# Allegro board 8880F5-0823__zarif.brd (continued)
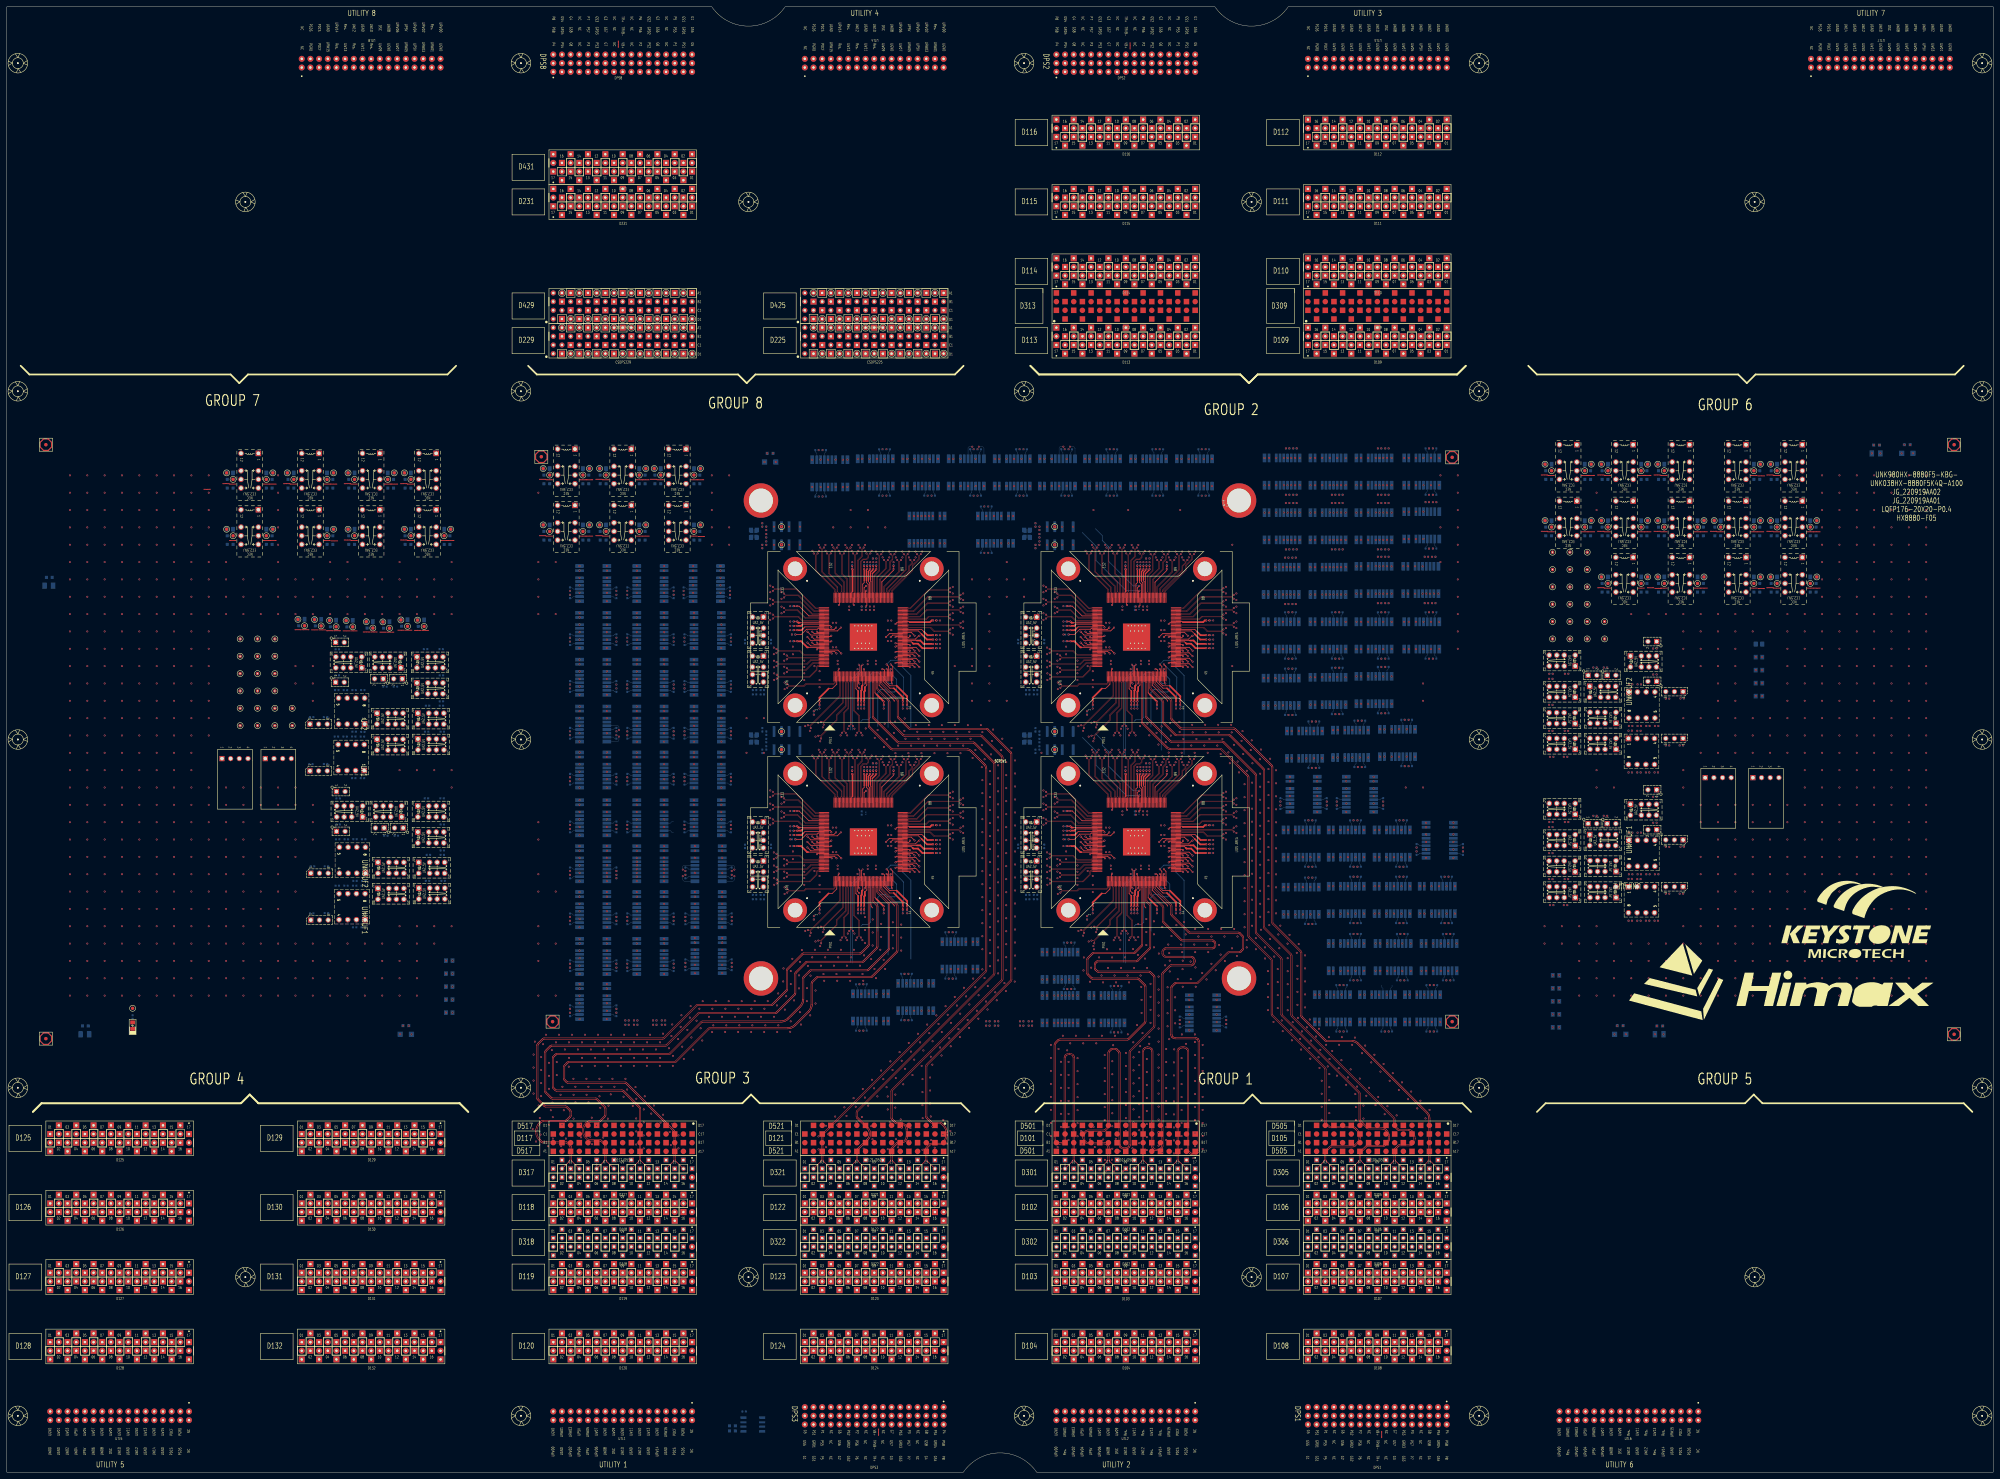
[diagram p0: board, top side]
## Placement (name value [footprint] x y rotation side) (continued)
NOREF#1974  -  []  328.33 247.93 0 top
NOREF#1975  -  []  184.47 214 0 top
NOREF#1976  -  []  209.49 148.63 90 top
NOREF#1977  -  []  84.04 290.38 90 top
NOREF#1978  -  []  118.7 190.55 90 top
NOREF#1979  -  []  168.13 254.6 90 top
NOREF#1980  -  []  261.63 195.43 90 top
NOREF#1981  -  []  238.45 257.01 0 top
NOREF#1982  -  []  117.26 190.55 90 top
NOREF#1983  -  []  103.93 235.64 90 top
NOREF#1984  -  []  393.31 131.89 90 top
NOREF#1985  -  []  252.83 205.86 90 top
NOREF#1986  -  []  295.96 248.49 0 top
NOREF#1987  -  []  468.85 259.9 90 top
NOREF#1988  -  []  473.79 239.64 0 top
NOREF#1989  -  []  352.24 189.18 90 top
NOREF#1990  -  []  410.27 257.37 0 top
NOREF#1991  -  []  369.38 257.11 0 top
NOREF#1992  -  []  298.13 214.06 0 top
NOREF#1993  -  []  398.53 161.74 90 top
NOREF#1994  -  []  271.04 189.18 0 top
NOREF#1995  -  []  263.2 172.26 90 top
NOREF#1996  -  []  218.13 274.06 0 top
NOREF#1997  -  []  93.76 271.33 90 top
NOREF#1998  -  []  219.81 213.69 90 top
NOREF#1999  -  []  259.65 205.86 90 top
NOREF#2000  -  []  317.98 165.04 90 top
NOREF#2001  -  []  295.96 248.49 0 top
NOREF#2002  -  []  343.98 288.86 0 top
NOREF#2003  -  []  371.73 297.12 0 top
NOREF#2004  -  []  314.33 168.13 90 top
NOREF#2005  -  []  194.09 255.9 90 top
NOREF#2006  -  []  327.57 204.65 90 top
NOREF#2007  -  []  310.43 188.88 0 top
NOREF#2008  -  []  389.7 209.36 0 top
NOREF#2009  -  []  378.75 240.56 90 top
NOREF#2010  -  []  155.57 275.14 90 top
NOREF#2011  -  []  257.9 186.99 0 top
NOREF#2012  -  []  108.01 214.71 0 top
NOREF#2013  -  []  462.06 293.82 90 top
NOREF#2014  -  []  405.93 256.92 90 top
NOREF#2015  -  []  167.7 132.72 90 top
NOREF#2016  -  []  249.6 164.74 90 top
NOREF#2017  -  []  271.34 241.37 0 top
NOREF#2018  -  []  248.33 247.93 0 top
NOREF#2019  -  []  303.84 288.86 0 top
NOREF#2020  -  []  392.47 240.66 90 top
NOREF#2021  -  []  168.69 273.5 90 top
NOREF#2022  -  []  448.94 273.87 90 top
NOREF#2023  -  []  301.56 179.06 0 top
NOREF#2024  -  []  343.83 231.63 90 top
NOREF#2025  -  []  371.48 224.6 0 top
NOREF#2026  -  []  322.62 139.64 0 top
NOREF#2027  -  []  256.77 165.04 90 top
NOREF#2028  -  []  351.04 241.69 0 top
NOREF#2029  -  []  292.74 288.86 0 top
NOREF#2030  -  []  167.7 134.07 90 top
NOREF#2031  -  []  412.24 144.98 90 top
NOREF#2032  -  []  451.68 186.77 0 top
NOREF#2033  -  []  310.43 247.61 0 top
NOREF#2034  -  []  118.7 188.08 0 top
NOREF#2035  -  []  182.82 230.19 90 top
NOREF#2036  -  []  184.47 151.68 90 top
NOREF#2037  -  []  108.01 214.71 0 top
NOREF#2038  -  []  377.48 289.17 90 top
NOREF#2039  -  []  192.57 215.25 90 top
NOREF#2040  -  []  400.85 233.11 0 top
NOREF#2041  -  []  231.15 159.63 90 top
NOREF#2042  -  []  304.65 211.67 0 top
NOREF#2043  -  []  371.48 265.11 0 top
NOREF#2044  -  []  338.36 288.91 90 top
NOREF#2045  -  []  318.3 224.74 90 top
NOREF#2046  -  []  352.25 244.86 90 top
NOREF#2047  -  []  385.19 232.85 0 top
NOREF#2048  -  []  317.98 225.04 90 top
NOREF#2049  -  []  313.98 131.09 90 top
NOREF#2050  -  []  284.79 272.65 90 top
NOREF#2051  -  []  330.17 165.04 90 top
NOREF#2052  -  []  172.08 272.6 90 top
NOREF#2053  -  []  184.47 260.9 90 top
NOREF#2054  -  []  112.41 214.71 0 top
NOREF#2055  -  []  127.81 175.44 90 top
NOREF#2056  -  []  277.17 288.86 0 top
NOREF#2057  -  []  326 288.86 90 top
NOREF#2058  -  []  252.51 205.56 90 top
NOREF#2059  -  []  334.29 204.35 90 top
NOREF#2060  -  []  249.85 164.74 0 top
NOREF#2061  -  []  388.43 146.88 0 top
NOREF#2062  -  []  184.47 178.86 90 top
NOREF#2063  -  []  165.8 185.42 0 top
NOREF#2064  -  []  279.27 288.86 0 top
NOREF#2065  -  []  331.05 204.65 90 top
NOREF#2066  -  []  342.04 224.72 0 top
NOREF#2067  -  []  336.77 165.04 90 top
NOREF#2068  -  []  424.98 146.43 90 top
NOREF#2069  -  []  472.86 174.55 90 top
NOREF#2070  -  []  271.34 189.5 0 top
NOREF#2071  -  []  309.51 187.93 0 top
NOREF#2072  -  []  228.36 262.16 45 top
NOREF#2073  -  []  182.57 158.5 90 top
NOREF#2074  -  []  184.89 199.99 90 top
NOREF#2075  -  []  303.56 245.29 90 top
NOREF#2076  -  []  341.63 233.83 90 top
NOREF#2077  -  []  419.9 272.82 90 top
NOREF#2078  -  []  108.01 195.15 0 top
NOREF#2079  -  []  175.7 216.45 90 top
NOREF#2080  -  []  229.51 193.69 0 top
NOREF#2081  -  []  343.83 171.63 90 top
NOREF#2082  -  []  334.29 265.55 0 top
NOREF#2083  -  []  368.03 265.11 0 top
NOREF#2084  -  []  400.24 202.38 90 top
NOREF#2085  -  []  450.03 182.17 0 top
NOREF#2086  -  []  230.41 243.09 90 top
NOREF#2087  -  []  238.3 163.52 90 top
NOREF#2088  -  []  303.26 152.34 0 top
NOREF#2089  -  []  412.62 241.11 0 top
NOREF#2090  -  []  518.38 259.9 90 top
NOREF#2091  -  []  127.55 219.13 90 top
NOREF#2092  -  []  229.21 193.37 0 top
NOREF#2093  -  []  376.98 257.11 0 top
NOREF#2094  -  []  118.74 210.19 90 top
NOREF#2095  -  []  261.63 233.83 90 top
NOREF#2096  -  []  192.47 264.1 90 top
NOREF#2097  -  []  401.89 163.64 0 top
NOREF#2098  -  []  511.59 293.82 90 top
NOREF#2099  -  []  339.46 288.86 90 top
NOREF#2100  -  []  368.28 297.12 0 top
NOREF#2101  -  []  232.25 271.67 90 top
NOREF#2102  -  []  261.63 173.83 90 top
NOREF#2103  -  []  263.95 223.52 90 top
NOREF#2104  -  []  388.43 146.88 0 top
NOREF#2105  -  []  182.57 254 90 top
NOREF#2106  -  []  188.08 291.65 90 top
NOREF#2107  -  []  387.2 207.46 0 top
NOREF#2108  -  []  239.33 243.63 90 top
NOREF#2109  -  []  396.55 257.37 0 top
NOREF#2110  -  []  257.9 186.35 90 top
NOREF#2111  -  []  175.8 133.97 90 top
NOREF#2112  -  []  260.6 286.96 90 top
NOREF#2113  -  []  327.25 265.56 90 top
NOREF#2114  -  []  298.24 288.86 0 top
NOREF#2115  -  []  399.99 164.91 90 top
NOREF#2116  -  []  327.89 264.35 90 top
NOREF#2117  -  []  310.41 243.09 90 top
NOREF#2118  -  []  118.45 239.39 0 top
NOREF#2119  -  []  201.23 206.29 90 top
NOREF#2120  -  []  100.98 195.15 0 top
NOREF#2121  -  []  351.04 249.82 0 top
NOREF#2122  -  []  394.05 223.21 0 top
NOREF#2123  -  []  395.2 297.12 0 top
NOREF#2124  -  []  298.16 177.06 0 top
NOREF#2125  -  []  265.81 296.86 0 top
NOREF#2126  -  []  216.96 240.71 0 top
NOREF#2127  -  []  313.98 143.89 90 top
NOREF#2128  -  []  167.7 219.75 90 top
NOREF#2129  -  []  412.62 281.37 0 top
NOREF#2130  -  []  414.25 154.88 0 top
NOREF#2131  -  []  284.77 146.93 90 top
NOREF#2132  -  []  232.25 211.67 90 top
NOREF#2133  -  []  375.73 193.43 90 top
NOREF#2134  -  []  471.11 230.2 0 top
NOREF#2135  -  []  96.33 238.84 0 top
NOREF#2136  -  []  384.36 131.89 0 top
NOREF#2137  -  []  341.63 255.43 90 top
NOREF#2138  -  []  381.74 281.11 0 top
NOREF#2139  -  []  247.57 204.65 90 top
NOREF#2140  -  []  309.05 271.67 0 top
NOREF#2141  -  []  201.21 290.01 90 top
NOREF#2142  -  []  409.17 297.12 0 top
NOREF#2143  -  []  251.06 163.82 90 top
NOREF#2144  -  []  167.7 163.2 90 top
NOREF#2145  -  []  328.62 290.13 90 top
NOREF#2146  -  []  192.47 236.67 90 top
NOREF#2147  -  []  272.25 185.5 0 top
NOREF#2148  -  []  272.24 184.86 90 top
NOREF#2149  -  []  306.85 271.67 0 top
NOREF#2150  -  []  247.57 265.86 90 top
NOREF#2151  -  []  257.08 132.19 90 top
NOREF#2152  -  []  172.08 291.65 90 top
NOREF#2153  -  []  209.23 202.99 90 top
NOREF#2154  -  []  404.4 225.16 90 top
NOREF#2155  -  []  352.55 183.91 0 top
NOREF#2156  -  []  247.89 204.35 90 top
NOREF#2157  -  []  253.53 140.14 0 top
NOREF#2158  -  []  319.33 236.03 90 top
NOREF#2159  -  []  240.94 151.63 90 top
NOREF#2160  -  []  351.34 243.91 0 top
NOREF#2161  -  []  383.73 202.38 90 top
NOREF#2162  -  []  118.45 226.62 90 top
NOREF#2163  -  []  302.49 296.86 0 top
NOREF#2164  -  []  378.75 224.05 90 top
NOREF#2165  -  []  106.76 210.11 90 top
NOREF#2166  -  []  208.98 259.8 90 top
NOREF#2167  -  []  391.8 217.36 0 top
NOREF#2168  -  []  209.23 218.65 90 top
NOREF#2169  -  []  415.1 163.64 0 top
NOREF#2170  -  []  93.76 287.84 90 top
NOREF#2171  -  []  343.98 288.86 0 top
NOREF#2172  -  []  411.09 146.88 90 top
NOREF#2173  -  []  175.7 230.17 90 top
NOREF#2174  -  []  392.47 224.3 90 top
NOREF#2175  -  []  412.88 131.89 0 top
NOREF#2176  -  []  409.74 180.2 90 top
NOREF#2177  -  []  405.51 217.61 0 top
NOREF#2178  -  []  118.33 289.48 90 top
NOREF#2179  -  []  263.31 224.74 0 top
NOREF#2180  -  []  518.38 273.87 90 top
NOREF#2181  -  []  303.56 185.29 90 top
NOREF#2182  -  []  472.86 217.98 90 top
NOREF#2183  -  []  351.04 182.96 0 top
NOREF#2184  -  []  410.78 131.89 0 top
NOREF#2185  -  []  373.73 207.21 0 top
NOREF#2186  -  []  184.47 149.48 90 top
NOREF#2187  -  []  249.6 163.52 90 top
NOREF#2188  -  []  406.65 239.21 90 top
NOREF#2189  -  []  177.33 133.47 90 top
NOREF#2190  -  []  259.45 288.86 90 top
NOREF#2191  -  []  465.45 273.87 90 top
NOREF#2192  -  []  250.49 223.52 90 top
NOREF#2193  -  []  419.9 288.57 90 top
NOREF#2194  -  []  184.47 187.92 90 top
NOREF#2195  -  []  453.84 179.06 0 top
NOREF#2196  -  []  413.2 164.91 90 top
NOREF#2197  -  []  375.73 199.18 90 top
NOREF#2198  -  []  94.68 234.24 0 top
NOREF#2199  -  []  386.46 131.89 0 top
NOREF#2200  -  []  216.96 252.14 0 top
NOREF#2201  -  []  461.86 187.32 0 top
NOREF#2202  -  []  379.48 255.21 90 top
NOREF#2203  -  []  319.33 243.63 90 top
NOREF#2204  -  []  201.23 186.57 90 top
NOREF#2205  -  []  405.93 224.56 90 top
NOREF#2206  -  []  250.18 242.88 0 top
NOREF#2207  -  []  383.09 224.85 0 top
NOREF#2208  -  []  406.95 131.44 90 top
NOREF#2209  -  []  351.34 189.5 0 top
NOREF#2210  -  []  229.51 249.2 0 top
NOREF#2211  -  []  310.73 249.2 0 top
NOREF#2212  -  []  263.31 164.74 0 top
NOREF#2213  -  []  217.83 234.63 90 top
NOREF#2214  -  []  305.94 296.86 0 top
NOREF#2215  -  []  310.41 246.34 90 top
NOREF#2216  -  []  272.25 241.05 90 top
NOREF#2217  -  []  253.4 265.56 90 top
NOREF#2218  -  []  218.13 274.06 90 top
NOREF#2219  -  []  259.33 205.56 90 top
NOREF#2220  -  []  304.61 144.34 0 top
NOREF#2221  -  []  175.7 137.37 90 top
NOREF#2222  -  []  263.31 164.72 0 top
NOREF#2223  -  []  387.39 297.12 0 top
NOREF#2224  -  []  411.01 209.61 0 top
NOREF#2225  -  []  199.59 230.19 90 top
NOREF#2226  -  []  166.06 243.9 90 top
NOREF#2227  -  []  167.7 242.78 90 top
NOREF#2228  -  []  272.24 243.59 90 top
NOREF#2229  -  []  303.15 271.32 90 top
NOREF#2230  -  []  381.86 129.99 0 top
NOREF#2231  -  []  201.23 201.89 90 top
NOREF#2232  -  []  253.4 265.56 0 top
NOREF#2233  -  []  407.77 255.47 0 top
NOREF#2234  -  []  410.78 131.89 0 top
NOREF#2235  -  []  106.11 234.24 0 top
NOREF#2236  -  []  310.43 186.34 0 top
NOREF#2237  -  []  320.94 211.63 90 top
NOREF#2238  -  []  264.54 143.19 0 top
NOREF#2239  -  []  310.43 188.88 90 top
NOREF#2240  -  []  381.2 258.38 90 top
NOREF#2241  -  []  410.27 257.37 0 top
NOREF#2242  -  []  399.67 131.89 0 top
NOREF#2243  -  []  112.41 195.15 0 top
NOREF#2244  -  []  398.65 289.12 0 top
NOREF#2245  -  []  320.83 254.63 0 top
NOREF#2246  -  []  218.13 214.06 90 top
NOREF#2247  -  []  451.64 179.06 0 top
NOREF#2248  -  []  127.7 231.22 0 top
NOREF#2249  -  []  333.4 264.35 90 top
NOREF#2250  -  []  184.47 241.43 90 top
NOREF#2251  -  []  184.47 255.15 0 top
NOREF#2252  -  []  401.89 180.15 0 top
NOREF#2253  -  []  295.96 237.06 0 top
NOREF#2254  -  []  329.28 163.82 90 top
NOREF#2255  -  []  250.17 163.82 90 top
NOREF#2256  -  []  384.08 209.16 90 top
NOREF#2257  -  []  235.85 288.61 90 top
NOREF#2258  -  []  298.13 274.06 90 top
NOREF#2259  -  []  194.09 242.18 90 top
NOREF#2260  -  []  259.84 145.09 0 top
NOREF#2261  -  []  128.21 178.64 0 top
NOREF#2262  -  []  394.66 290.39 90 top
NOREF#2263  -  []  192.47 202.99 90 top
NOREF#2264  -  []  192.47 246.08 90 top
NOREF#2265  -  []  237.66 224.72 0 top
NOREF#2266  -  []  310.43 253.37 0 top
NOREF#2267  -  []  399.64 144.98 0 top
NOREF#2268  -  []  250.73 265.56 90 top
NOREF#2269  -  []  381.74 265.11 0 top
NOREF#2270  -  []  392.73 154.88 0 top
NOREF#2271  -  []  392.04 257.11 90 top
NOREF#2272  -  []  118.45 231.77 0 top
NOREF#2273  -  []  383.09 273.11 0 top
NOREF#2274  -  []  380.59 287.22 0 top
NOREF#2275  -  []  167.7 138.47 90 top
NOREF#2276  -  []  192.47 250.38 90 top
NOREF#2277  -  []  175.8 174.36 90 top
NOREF#2278  -  []  378.33 217.11 0 top
NOREF#2279  -  []  339.33 204.35 90 top
NOREF#2280  -  []  271.34 243.91 0 top
NOREF#2281  -  []  392.47 256.56 90 top
NOREF#2282  -  []  462.06 274.77 90 top
NOREF#2283  -  []  200.98 255.15 90 top
NOREF#2284  -  []  352.55 242.64 0 top
NOREF#2285  -  []  272.24 189.18 90 top
NOREF#2286  -  []  416.03 179.42 90 top
NOREF#2287  -  []  333.33 181.33 90 top
NOREF#2288  -  []  461.86 182.17 90 top
NOREF#2289  -  []  271.04 242.96 0 top
NOREF#2290  -  []  221.56 179.06 0 top
NOREF#2291  -  []  326.17 131.69 90 top
NOREF#2292  -  []  167.7 151.68 90 top
NOREF#2293  -  []  327.25 265.56 0 top
NOREF#2294  -  []  184.47 229.07 90 top
NOREF#2295  -  []  318.32 131.64 0 top
NOREF#2296  -  []  339.65 264.65 90 top
NOREF#2297  -  []  184.47 214 90 top
NOREF#2298  -  []  321.82 227.13 90 top
NOREF#2299  -  []  471.21 175.95 0 top
NOREF#2300  -  []  256.45 164.74 0 top
NOREF#2301  -  []  463.11 186.77 0 top
NOREF#2302  -  []  199.33 199.39 0 top
NOREF#2303  -  []  471.59 130.36 90 top
NOREF#2304  -  []  410.52 289.12 0 top
NOREF#2305  -  []  167.7 145.93 0 top
NOREF#2306  -  []  226.44 294.64 90 top
NOREF#2307  -  []  342.68 223.52 90 top
NOREF#2308  -  []  478.57 257.36 90 top
NOREF#2309  -  []  371.48 241.11 0 top
NOREF#2310  -  []  209.33 228.97 90 top
NOREF#2311  -  []  343.31 164.74 0 top
NOREF#2312  -  []  369.63 273.11 0 top
NOREF#2313  -  []  242.23 173.13 90 top
NOREF#2314  -  []  334.61 264.65 90 top
NOREF#2315  -  []  409.74 146.88 0 top
NOREF#2316  -  []  249.85 164.72 0 top
NOREF#2317  -  []  201.49 165.4 90 top
NOREF#2318  -  []  330.18 182.88 0 top
NOREF#2319  -  []  217.83 174.63 90 top
NOREF#2320  -  []  383.09 289.12 0 top
NOREF#2321  -  []  385.32 178.25 90 top
NOREF#2322  -  []  453.88 186.77 0 top
NOREF#2323  -  []  394.05 271.21 0 top
NOREF#2324  -  []  330.74 164.74 0 top
NOREF#2325  -  []  400.25 148.15 90 top
NOREF#2326  -  []  284.77 288.86 0 top
NOREF#2327  -  []  247.57 205.86 90 top
NOREF#2328  -  []  417.7 146.88 0 top
NOREF#2329  -  []  112.05 246.78 90 top
NOREF#2330  -  []  465.31 230.2 0 top
NOREF#2331  -  []  328.96 224.72 0 top
NOREF#2332  -  []  339.65 204.65 90 top
NOREF#2333  -  []  453.84 222.5 0 top
NOREF#2334  -  []  309.51 249.2 0 top
NOREF#2335  -  []  272.8 157.28 0 top
NOREF#2336  -  []  310.73 187.93 0 top
NOREF#2337  -  []  209.23 189.02 90 top
NOREF#2338  -  []  185.2 276.04 90 top
NOREF#2339  -  []  251.54 192.73 90 top
NOREF#2340  -  []  237.98 223.82 90 top
NOREF#2341  -  []  108.27 178.64 0 top
NOREF#2342  -  []  313.56 131.64 90 top
NOREF#2343  -  []  303.15 211.32 90 top
NOREF#2344  -  []  201.49 147.53 90 top
NOREF#2345  -  []  111.54 290.38 90 top
NOREF#2346  -  []  351.34 249.5 0 top
NOREF#2347  -  []  229.21 246.34 0 top
NOREF#2348  -  []  495.08 274.77 90 top
NOREF#2349  -  []  302.11 240.71 0 top
NOREF#2350  -  []  247.89 264.35 90 top
NOREF#2351  -  []  399.07 208.81 90 top
NOREF#2352  -  []  263.63 225.04 90 top
NOREF#2353  -  []  251.38 223.52 90 top
NOREF#2354  -  []  124.35 187.53 0 top
NOREF#2355  -  []  192.47 164.3 90 top
NOREF#2356  -  []  377.48 273.16 90 top
NOREF#2357  -  []  339.89 288.31 90 top
NOREF#2358  -  []  308.36 202.16 45 top
NOREF#2359  -  []  308.36 262.16 45 top
NOREF#2360  -  []  300.01 288.41 90 top
NOREF#2361  -  []  201.23 200.54 90 top
NOREF#2362  -  []  331.22 193.63 0 top
NOREF#2363  -  []  329.6 223.52 90 top
NOREF#2364  -  []  451.68 171.53 0 top
NOREF#2365  -  []  354.27 131.87 90 top
NOREF#2366  -  []  260.83 234.63 90 top
NOREF#2367  -  []  305.94 288.86 0 top
NOREF#2368  -  []  251.38 163.52 90 top
NOREF#2369  -  []  396.28 163.69 90 top
NOREF#2370  -  []  107.76 238.84 0 top
NOREF#2371  -  []  271.04 189.82 0 top
NOREF#2372  -  []  192.47 195.52 90 top
NOREF#2373  -  []  251.62 264.35 90 top
NOREF#2374  -  []  397.8 163.09 90 top
NOREF#2375  -  []  310.73 253.69 0 top
NOREF#2376  -  []  168.13 186.02 90 top
NOREF#2377  -  []  184.47 241.43 0 top
NOREF#2378  -  []  275.28 290.13 90 top
NOREF#2379  -  []  259.65 204.65 90 top
NOREF#2380  -  []  273.09 288.41 90 top
NOREF#2381  -  []  272.25 181.05 90 top
NOREF#2382  -  []  376.23 209.11 0 top
NOREF#2383  -  []  346.27 130.77 90 top
NOREF#2384  -  []  451.64 179.06 0 top
NOREF#2385  -  []  175.8 256.4 90 top
NOREF#2386  -  []  310.41 188.88 90 top
NOREF#2387  -  []  103.93 235.64 0 top
NOREF#2388  -  []  319.33 176.03 0 top
NOREF#2389  -  []  369.38 257.11 0 top
NOREF#2390  -  []  332.51 265.56 0 top
NOREF#2391  -  []  384.59 162.94 90 top
NOREF#2392  -  []  230.73 243.41 0 top
NOREF#2393  -  []  167.7 215.35 90 top
NOREF#2394  -  []  118.74 215.34 0 top
NOREF#2395  -  []  368.03 232.6 0 top
NOREF#2396  -  []  309.05 211.67 0 top
NOREF#2397  -  []  230.83 164.63 0 top
NOREF#2398  -  []  110.21 222.33 0 top
NOREF#2399  -  []  420.15 131.34 90 top
NOREF#2400  -  []  331.05 264.65 90 top
NOREF#2401  -  []  406.65 287.22 90 top
NOREF#2402  -  []  351.04 244.23 0 top
NOREF#2403  -  []  397.38 146.88 90 top
NOREF#2404  -  []  167.7 186.57 0 top
NOREF#2405  -  []  184.47 192.32 90 top
NOREF#2406  -  []  351.04 189.18 0 top
NOREF#2407  -  []  473.79 234.49 90 top
NOREF#2408  -  []  271.04 249.82 0 top
NOREF#2409  -  []  254.29 205.56 90 top
NOREF#2410  -  []  273.95 147.38 90 top
NOREF#2411  -  []  311.44 288.86 0 top
NOREF#2412  -  []  184.89 254.6 90 top
NOREF#2413  -  []  308.91 152.34 0 top
NOREF#2414  -  []  390.69 273.11 0 top
NOREF#2415  -  []  283.25 147.43 90 top
NOREF#2416  -  []  118.7 222.88 0 top
NOREF#2417  -  []  327.27 131.64 90 top
NOREF#2418  -  []  327.57 265.86 90 top
NOREF#2419  -  []  247.25 204.35 90 top
NOREF#2420  -  []  398.65 225.11 0 top
NOREF#2421  -  []  251.62 265.55 0 top
NOREF#2422  -  []  259.65 265.86 90 top
NOREF#2423  -  []  412.62 289.12 0 top
NOREF#2424  -  []  300.36 188.49 0 top
NOREF#2425  -  []  217.41 213.24 90 top
NOREF#2426  -  []  383.07 163.44 90 top
NOREF#2427  -  []  327.25 204.35 90 top
NOREF#2428  -  []  105.83 190.55 90 top
NOREF#2429  -  []  392.47 224.4 90 top
NOREF#2430  -  []  351.58 288.86 0 top
NOREF#2431  -  []  378.33 241.11 90 top
NOREF#2432  -  []  237.98 165.04 90 top
NOREF#2433  -  []  411.99 178.25 90 top
NOREF#2434  -  []  272.24 249.18 90 top
NOREF#2435  -  []  115.19 128.27 0 top
NOREF#2436  -  []  450.03 182.17 0 top
NOREF#2437  -  []  124.39 214.79 0 top
NOREF#2438  -  []  250.74 164.72 0 top
NOREF#2439  -  []  377.32 188.15 0 top
NOREF#2440  -  []  453.88 214.96 0 top
NOREF#2441  -  []  167.7 206.29 90 top
NOREF#2442  -  []  201.23 192.32 90 top
NOREF#2443  -  []  286.55 288.31 90 top
NOREF#2444  -  []  229.21 187.61 0 top
NOREF#2445  -  []  384.17 163.39 90 top
NOREF#2446  -  []  403.99 188.15 0 top
NOREF#2447  -  []  253.33 241.33 90 top
NOREF#2448  -  []  230.73 249.2 0 top
NOREF#2449  -  []  177.33 214.75 90 top
NOREF#2450  -  []  412.36 209.61 90 top
NOREF#2451  -  []  366.88 255.21 0 top
NOREF#2452  -  []  201.23 187.92 90 top
NOREF#2453  -  []  273.81 286.96 90 top
NOREF#2454  -  []  314.71 142.44 90 top
NOREF#2455  -  []  351.34 181.37 0 top
NOREF#2456  -  []  319.15 296.86 0 top
NOREF#2457  -  []  472.86 210.36 90 top
NOREF#2458  -  []  450.03 191.31 0 top
NOREF#2459  -  []  252.83 204.65 90 top
NOREF#2460  -  []  412.37 265.37 0 top
NOREF#2461  -  []  408.28 129.99 0 top
NOREF#2462  -  []  385.32 161.49 90 top
NOREF#2463  -  []  309.21 246.34 0 top
NOREF#2464  -  []  397.8 146.33 90 top
NOREF#2465  -  []  310.43 246.34 0 top
NOREF#2466  -  []  119.7 238.84 0 top
NOREF#2467  -  []  326.43 288.41 90 top
NOREF#2468  -  []  473.79 196.21 0 top
NOREF#2469  -  []  334.29 265.56 0 top
NOREF#2470  -  []  238.3 223.52 90 top
NOREF#2471  -  []  262.04 164.72 0 top
NOREF#2472  -  []  460.89 217.9 90 top
NOREF#2473  -  []  410.27 257.37 0 top
NOREF#2474  -  []  301.56 250.49 0 top
NOREF#2475  -  []  309.21 193.37 0 top
NOREF#2476  -  []  221.56 250.49 0 top
NOREF#2477  -  []  201.23 229.07 90 top
NOREF#2478  -  []  377.23 257.16 90 top
NOREF#2479  -  []  342.68 224.74 90 top
NOREF#2480  -  []  404.4 241.16 90 top
NOREF#2481  -  []  272.24 241.05 90 top
NOREF#2482  -  []  201.23 244.98 90 top
NOREF#2483  -  []  256.77 223.82 90 top
NOREF#2484  -  []  247.57 204.65 90 top
NOREF#2485  -  []  339.65 205.86 90 top
NOREF#2486  -  []  419.9 240.66 90 top
NOREF#2487  -  []  405.93 288.67 90 top
NOREF#2488  -  []  333.4 265.56 90 top
NOREF#2489  -  []  339.97 204.35 90 top
NOREF#2490  -  []  393.19 222.95 90 top
NOREF#2491  -  []  387.08 188.15 0 top
NOREF#2492  -  []  272.25 245.5 0 top
NOREF#2493  -  []  167.7 159.65 90 top
NOREF#2494  -  []  218.16 248.49 0 top
NOREF#2495  -  []  405.93 288.57 90 top
NOREF#2496  -  []  175.7 189.02 90 top
NOREF#2497  -  []  410.84 163.64 90 top
NOREF#2498  -  []  253.53 140.14 0 top
NOREF#2499  -  []  209.23 250.38 90 top
NOREF#2500  -  []  420.37 255.47 90 top
NOREF#2501  -  []  422.95 163.69 90 top
NOREF#2502  -  []  175.7 202.99 90 top
NOREF#2503  -  []  230.41 248.88 90 top
NOREF#2504  -  []  343.2 232.26 90 top
NOREF#2505  -  []  184.47 173.11 90 top
NOREF#2506  -  []  226.83 209.63 90 top
NOREF#2507  -  []  465.45 276.41 90 top
NOREF#2508  -  []  411.52 146.43 90 top
NOREF#2509  -  []  242.23 173.13 0 top
NOREF#2510  -  []  450.03 225.6 0 top
NOREF#2511  -  []  332.83 265.86 90 top
NOREF#2512  -  []  390.53 163.64 0 top
NOREF#2513  -  []  199.33 257.62 90 top
NOREF#2514  -  []  230.43 249.52 0 top
NOREF#2515  -  []  330.73 264.35 90 top
NOREF#2516  -  []  463.61 222.58 0 top
NOREF#2517  -  []  184.47 147.28 90 top
NOREF#2518  -  []  118.96 174.04 90 top
NOREF#2519  -  []  330.51 288.86 0 top
NOREF#2520  -  []  367.48 225.87 90 top
NOREF#2521  -  []  419.47 289.12 90 top
NOREF#2522  -  []  256.45 164.72 0 top
NOREF#2523  -  []  286.81 272.1 0 top
NOREF#2524  -  []  310.41 186.34 90 top
NOREF#2525  -  []  115.61 191.95 0 top
NOREF#2526  -  []  385.19 297.12 0 top
NOREF#2527  -  []  390.94 224.9 90 top
NOREF#2528  -  []  241.82 227.13 90 top
NOREF#2529  -  []  184.47 163.2 90 top
NOREF#2530  -  []  290.11 280.1 0 top
NOREF#2531  -  []  331.06 223.82 90 top
NOREF#2532  -  []  337.9 186.99 0 top
NOREF#2533  -  []  407.67 129.99 90 top
NOREF#2534  -  []  209.23 236.67 90 top
NOREF#2535  -  []  342.04 224.74 0 top
NOREF#2536  -  []  395.2 233.11 0 top
NOREF#2537  -  []  246.23 173.13 0 top
NOREF#2538  -  []  104.18 191.95 90 top
NOREF#2539  -  []  168.13 172.56 90 top
NOREF#2540  -  []  35.83 128.17 90 top
NOREF#2541  -  []  423.45 146.93 90 top
NOREF#2542  -  []  201.91 172.56 90 top
NOREF#2543  -  []  465.81 171.53 0 top
NOREF#2544  -  []  328.01 286.96 0 top
NOREF#2545  -  []  352.24 181.05 90 top
NOREF#2546  -  []  254.29 204.35 90 top
NOREF#2547  -  []  201.49 165.4 90 top
NOREF#2548  -  []  329.85 164.72 0 top
NOREF#2549  -  []  392.04 273.11 90 top
NOREF#2550  -  []  309.21 247.61 0 top
NOREF#2551  -  []  272.55 189.5 0 top
NOREF#2552  -  []  259.88 288.31 90 top
NOREF#2553  -  []  470.79 128.27 0 top
NOREF#2554  -  []  300.36 248.49 0 top
NOREF#2555  -  []  390.94 289.17 90 top
NOREF#2556  -  []  318.3 223.52 90 top
NOREF#2557  -  []  251.62 265.56 90 top
NOREF#2558  -  []  260.99 143.19 0 top
NOREF#2559  -  []  300.11 273.24 90 top
NOREF#2560  -  []  383.09 224.85 0 top
NOREF#2561  -  []  412.79 209.16 90 top
NOREF#2562  -  []  463.11 186.77 0 top
NOREF#2563  -  []  184.47 174.46 90 top
NOREF#2564  -  []  404.24 154.88 0 top
NOREF#2565  -  []  385.19 273.11 0 top
NOREF#2566  -  []  346.27 132.97 90 top
NOREF#2567  -  []  94.93 190.55 0 top
NOREF#2568  -  []  404.4 257.42 90 top
NOREF#2569  -  []  101.82 290.38 90 top
NOREF#2570  -  []  383.09 241.11 0 top
NOREF#2571  -  []  315.7 296.86 0 top
NOREF#2572  -  []  167.7 201.89 90 top
R1  NC/1M-1-S4  [R0402]  221.23 227.84 180 bottom
R2  NC/1M-1-S4  [R0402]  218.95 227.84 0 bottom
R3  NC/100K-1-S4  [R0402]  184.15 131.06 180 bottom
R4  NC/100K-1-S4  [R0402]  181.61 131.06 180 bottom
R5  0-5-S4  [R0402]  222.38 272.16 270 bottom
R6  1M-1-S4  [R0402]  222.38 274.32 270 bottom
R7  49.9-1-S4  [R0402]  178.5 217.52 90 bottom
R8  49.9-1-S4  [R0402]  178.5 215.38 90 bottom
R9  49.9-1-S4  [R0402]  164.91 217.52 90 bottom
R10  49.9-1-S4  [R0402]  164.91 215.38 90 bottom
R11  49.9-1-S4  [R0402]  212.03 231.24 90 bottom
R12  49.9-1-S4  [R0402]  212.03 229.1 90 bottom
R13  49.9-1-S4  [R0402]  198.44 231.24 90 bottom
R14  49.9-1-S4  [R0402]  198.44 229.1 90 bottom
R15  49.9-1-S4  [R0402]  296.06 299.66 180 bottom
R16  49.9-1-S4  [R0402]  298.21 299.66 180 bottom
R17  49.9-1-S4  [R0402]  296.06 286.07 180 bottom
R18  49.9-1-S4  [R0402]  298.21 286.07 180 bottom
R19  49.9-1-S4  [R0402]  309.27 299.66 180 bottom
R20  49.9-1-S4  [R0402]  311.42 299.66 180 bottom
R21  49.9-1-S4  [R0402]  309.27 286.07 180 bottom
R22  49.9-1-S4  [R0402]  311.42 286.07 180 bottom
R23  49.9-1-S4  [R0402]  349.4 299.66 180 bottom
R24  49.9-1-S4  [R0402]  351.55 299.66 180 bottom
R25  49.9-1-S4  [R0402]  349.4 286.07 180 bottom
R26  49.9-1-S4  [R0402]  351.55 286.07 180 bottom
R27  49.9-1-S4  [R0402]  335.94 299.66 180 bottom